# Altium PCB SMPS.PcbDoc
Units mil, origin at the board's own origin, x right, y up, seen from the top; angles counter-clockwise.
Board outline 3100 x 1250 mil, 2 copper layers (Top Layer, Bottom Layer); 49 components, 32 nets, 121 pads, 14 vias.
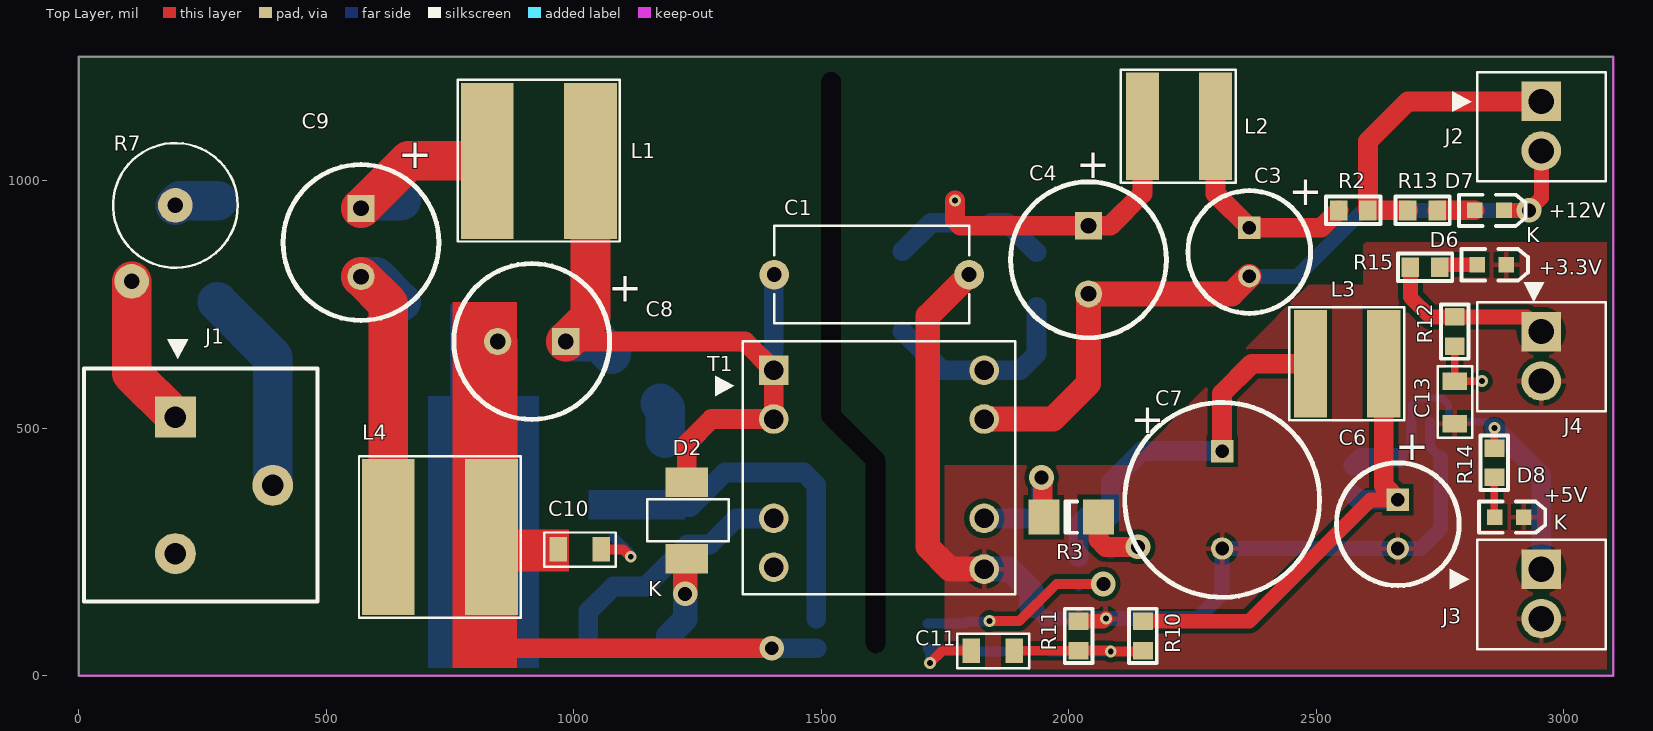
[diagram p0: Top Layer view]
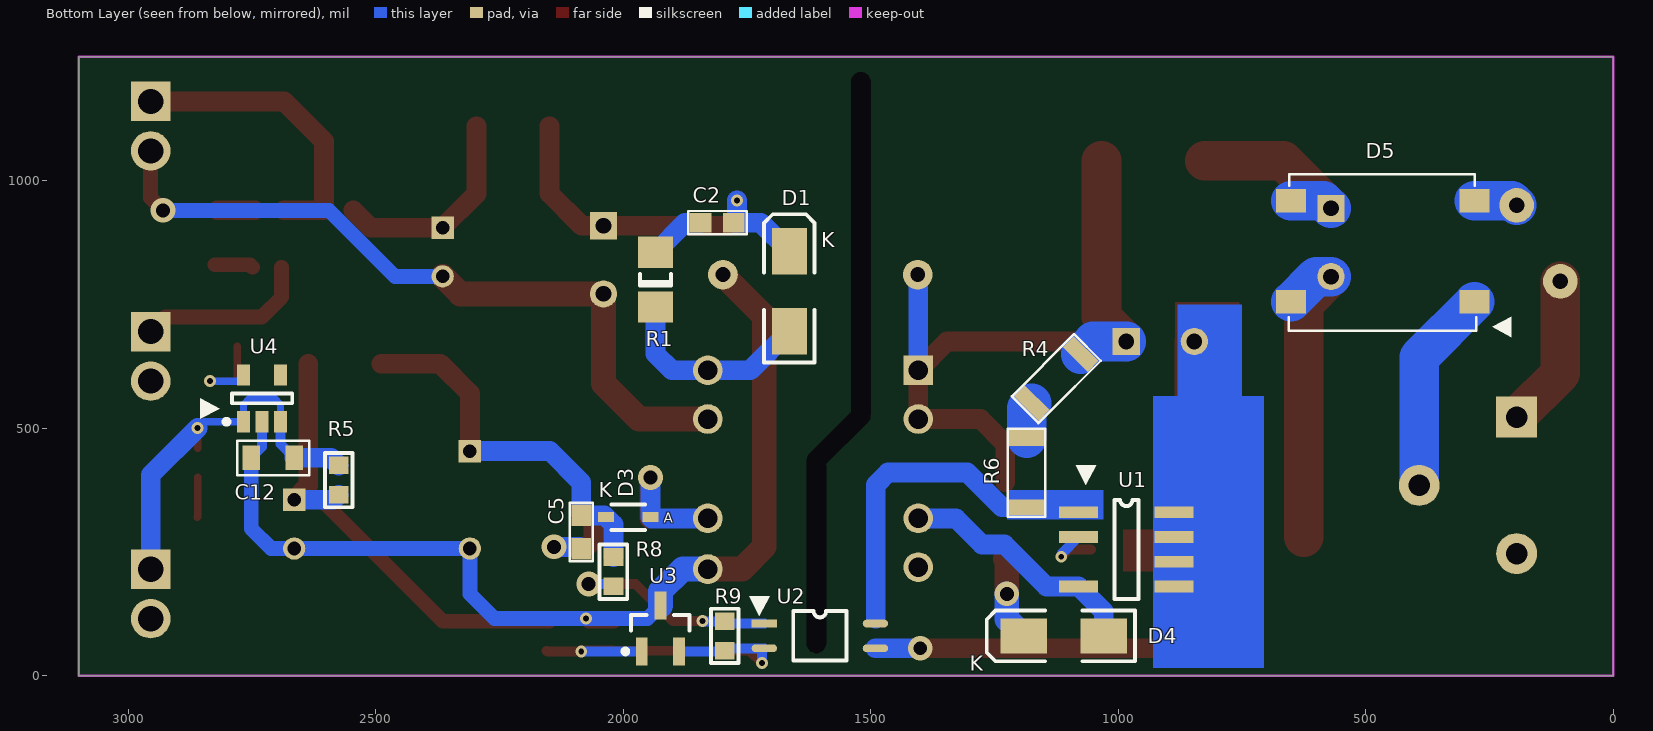
[diagram p1: Bottom Layer view, seen from below]
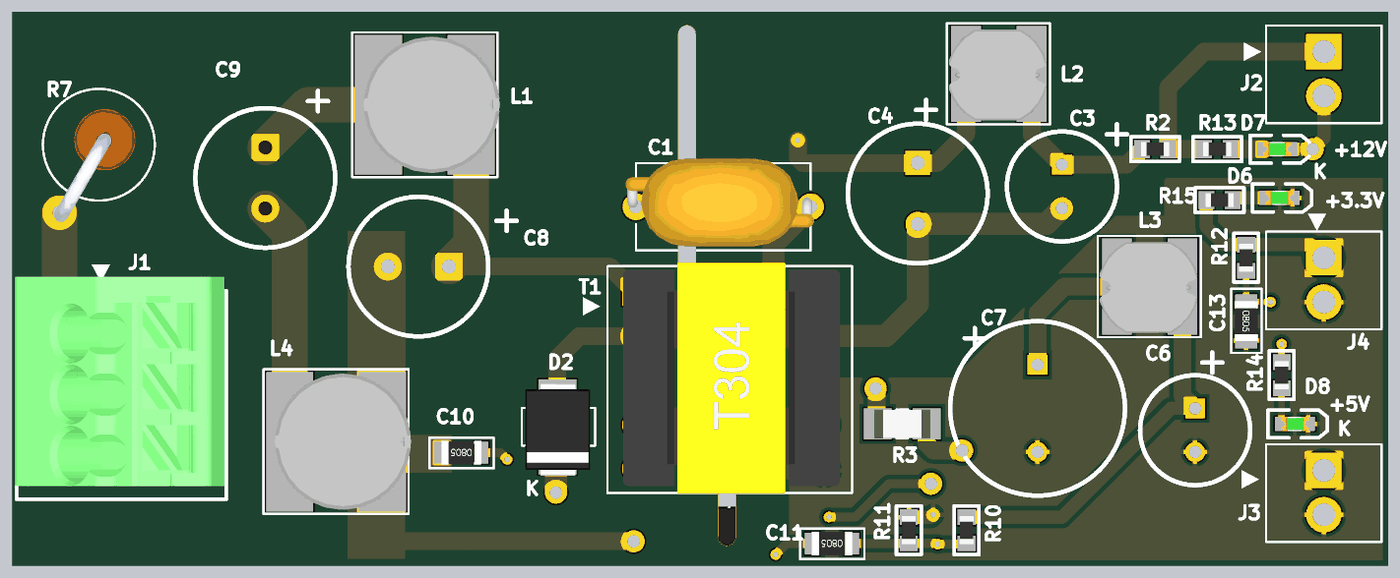
[diagram p2: 3D render of the assembled board from above, using the file's embedded part models]
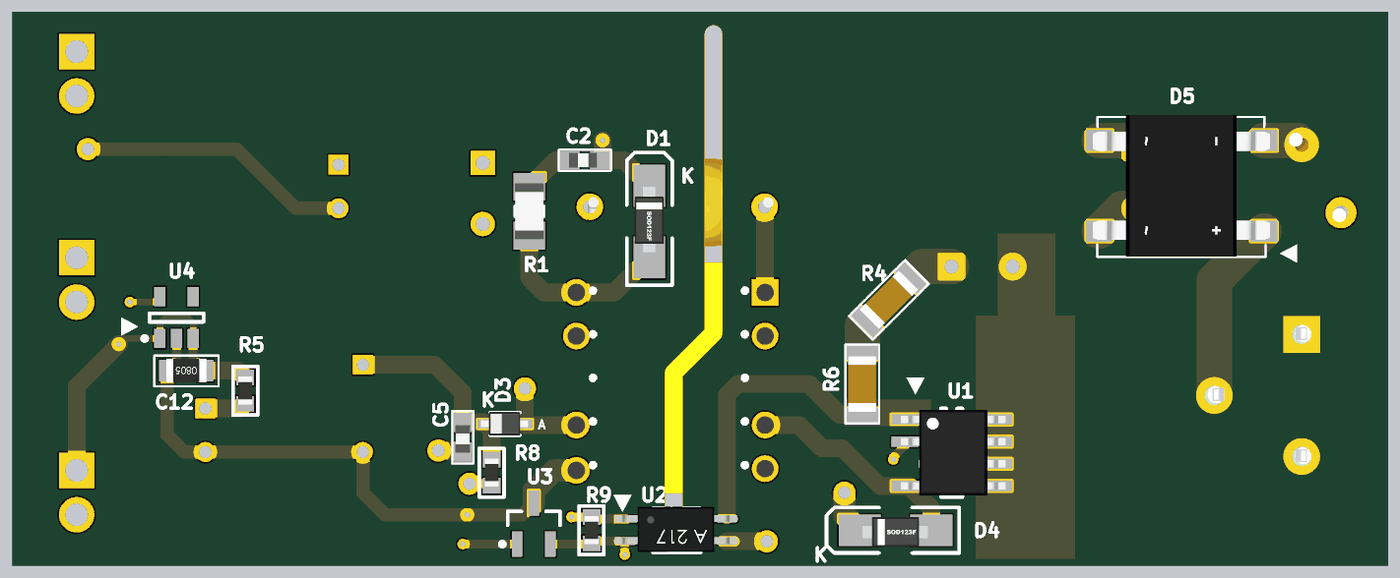
[diagram p3: 3D render of the assembled board from below, using the file's embedded part models]

## Layer stack, top to bottom
Top Layer: signal copper 1.4
Dielectric: dielectric 12.6, FR-4, Dk 4.8
Bottom Layer: signal copper 1.4

## Board outline
0,0 3100,0 3100,1250 0,1250 0,0

## Design rules (kind name [scope] priority, off if disabled: settings)
Clearance [All] p1: gap=10
PolygonConnect [All] p1: connectstyle=Relief reliefconductorwidth=10 reliefentries=4 polygonreliefangle="90 Angle"
RoutingVias [All] p1: holewidth=28 width=50 viastyle="Through Hole" minholewidth=28 minwidth=50 maxholewidth=28 maxwidth=50
SilkscreenOverComponentPads [All] p1: minsilkscreentomaskgap=10
SolderMaskExpansion [All] p1: expansion=4
Width [All] p1: maxlimit=90 minlimit=10 preferedwidth=10
27 further rules are at their usual default settings.

## Components (designator, comment, footprint, x,y, rotation, side; value= is the part's Value field where it differs from the comment)
C1 "2.2nF/440VAC" "2.2NF CAP" 1405,810 r0 top
C2 "470pF" C0603 1810,915 r180 bottom
C3 "100uF/25V" "CAP 6.3MM DIA" 2365,905 r270 top
C4 "220µF/25V" "CAP 8 MM DIA" 2040,840 r270 top
C5 "560pF" C0603 2085,290 r90 bottom
C6 "100uF/25V" "CAP 6.3MM DIA" 2665,355 r270 top
C7 "1000uF/10V" "CAP 10MM DIA" 2310,355 r270 top
C8 "6.8uF/400V" "CAP 8 MM DIA" 915,675 r180 top
C9 "6.8uF/400V" "CAP 8 MM DIA" 570,875 r270 top
C10 "10uF" R0805_2012 1055,255 r180 top
C11 "0.1uF" R0805_2012 1890,50 r180 top
C12 "0.1uF" R0805_2012 2665,440 r0 bottom
C13 "2.2uF" R0805_2012 2780,595 r270 top
D1 "RB162MM-60TR" GS-1_A 1665,775 r90 bottom
D2 "P6SMB180A-E3/52" P6SMB 1240,320 r270 top
D3 "DB2J40700L" SOD323 1990,320 r180 bottom
D4 "RS1K" SMA 1110,80 r0 bottom
D5 "DF06S-T" DF06S 280,755 r90 bottom
D6 "ORANGE" 1.6X0.8X0.8 2855,830 r0 top
D7 "GREEN" 1.6X0.8X0.8 2850,940 r0 top
D8 "BLUE" 1.6X0.8X0.8 2890,320 r0 top
J1 "1985205" "AC SUPPLY CONNECTOR" 250,400 r0 top
J2 "OSTVN02A150" OSTVN02A150 2955,1160 r270 top
J3 "OSTVN02A150" OSTVN02A150 2955,215 r270 top
J4 "OSTVN02A150" OSTVN02A150 2955,695 r270 top
L1 "1mH" SDR0805-102KL 825,1040 r0 top
L2 "3.3uH" SDE0604A-120M 2145,1110 r0 top
L3 "3.3uH" SDE0604A-120M 2485,630 r0 top
L4 "1mH" SDR0805-102KL 625,280 r0 top
R1 "22E" 1206 1935,800 r90 bottom
R2 "0E" R0603 2575,940 r0 top
R3 "18E" 1206 2005,320 r0 top
R4 "2M" "R1206 - Small pad" 1125,600 r135 bottom
R5 "0E" R0603 2575,395 r90 bottom
R6 "2M" "R1206 - Small pad" 1185,410 r90 bottom
R7 "10E,3W" "FUSIBLE RESISTOR" 195,950 r240 top
R8 "34E" R0603 2020,210 r90 bottom
R9 "1K" R0603 1795,80 r90 bottom
R10 "4.99K" R0603 2150,80 r90 top
R11 "4.99K" R0603 2020,80 r270 top
R12 "0E" R0603 2780,695 r90 top
R13 "6.8K" R0603 2715,940 r180 top
R14 "1.5K" R0603 2860,430 r90 top
R15 "680E" R0603 2720,825 r180 top
T1 "Transformer" Tra 1585,475 r0 top
U1 "TNY275GN-TL" TNY284DG 1080,330 r0 bottom
U2 "TLP293(GB-TPL,E" P25S01L 1715,105 r180 bottom
U3 "TL431AIDBZR" SOT-23_M 1925,95 r90 bottom
U4 "MC78PC33NTRG" SOT23-5_N 2730,560 r90 bottom

## Footprints (in the part's own frame and the unit in brackets; to place one, negate y for a bottom-side part, rotate by r counter-clockwise, add the part's x,y. Pads: shape width x height; smd on the part's side, far side on the other; paste and mask are expansions set on the pad)
1.6X0.8X0.8 [mm] "SM LED; 2 Flat Leads"
  rect 0.8x0.8 smd: 1(-0.75,0) 2(0.75,0)
  silkscreen extent -1.55,-0.8 1.85,0.8, body extent -0.8,-0.4 0.8,0.4, height 0.6
"2.2NF CAP" [mil]
  round 60 hole 30: 1(0,0) 2(393.7,0)
  silkscreen extent 0,-98 394,98, body extent -24,-89 402,108, height 571
1206 [mm]
  rect 1.6x1.8 smd: 1(-1.4,0) 2(1.4,0)
  silkscreen extent -0.3,-0.8 0.3,0.8, body extent -1.6,-0.83 1.6,0.83, height 0.53
"AC SUPPLY CONNECTOR" [mm]
  rect 2.1x2.1 hole 1.1 mask+0: 1(-1.4,3.1)
  round 2.1 hole 1.1 mask+0: 2(3.6,-0.4) 3(-1.4,-3.9)
  silkscreen extent -6.1,-6.35 5.9,5.6, body extent -6.2,-5.6 5.8,6.4, height 13.1
C0603 [mm]
  rect 1.1x1 smd: 1(-0.85,0) 2(0.85,0)
  silkscreen extent -1.5,-0.6 1.5,0.6, body extent -0.9,-0.43 0.7,0.43, height 0.83
"CAP 6.3MM DIA" [mil]
  rect 45x45 hole 27.56: 1(0,0)
  round 45 hole 27.56: 2(98.43,0)
  silkscreen extent -75,-124 173,124, body extent -72,-124 175,124, height 512
"CAP 8 MM DIA" [mil]
  rect 55x55 hole 31.5: 1(-68.9,0)
  round 55 hole 31.5: 2(68.9,0)
  silkscreen extent -157,-157 157,157, body extent -156,-157 157,157, height 689
"CAP 10MM DIA" [mil]
  rect 45x45 hole 27.56: 1(-98.43,0)
  round 45 hole 27.56: 2(98.43,0)
  silkscreen extent -197,-197 197,197, body extent -196,-197 196,196, height 669
DF06S [mm]
  rect 1.2x1.52 smd: 1(0,0) 2(5.2,0) 3(5.2,9.42) 4(0,9.42)
  silkscreen extent -1.47,-0.1 6.55,9.54, body extent -1.45,-0.35 6.65,9.8, height 2.7
"FUSIBLE RESISTOR" [mil]
  round 70 hole 31.5: 1(177.17,0) 2(0,0)
  silkscreen extent -126,-126 126,126, body extent -86,-63 196,75, height 501
GS-1_A [mm]
  rect 2.4x1.8 smd: A(-2.01,-0.014) K(2.09,-0.014)
  silkscreen extent -3.61,-1.31 3.99,1.29, body extent -1.72,-0.85 2.03,0.85, height 1.2
OSTVN02A150 [mil]
  rect 80x80 hole 51.18: 1(0,0)
  round 80 hole 51.18: 2(100,0)
  silkscreen extent -59,-130 161,130
P6SMB [mm]
  rect 1.52x2.18 smd: 1(-1.8,-0.3) 2(2.137,-0.3)
  silkscreen extent -0.91,-2.33 1.25,1.86, body extent -2.33,-2.13 2.97,1.57, height 2.2
P25S01L [mm]
  rect 1.3x0.4 smd: 1(0,0)
  oval 1.3x0.4 smd: 2(0,-1.27) 3(5.7,-1.27) 4(5.7,0)
  silkscreen extent 1.48,-1.91 4.22,0.63, body extent -0.7,-1.89 6.3,0.71, height 2.01
R0603 [mm]
  rect 0.9x1.02 smd: 1(-0.75,0) 2(0.75,0)
  silkscreen extent -1.4,-0.71 1.4,0.71, body extent -0.8,-0.4 0.8,0.4, height 0.4
R0805_2012 [mm] "0805 inch 2012 metric"
  rect 0.9x1.25 smd: 1(0,0) 2(2.2,0)
  silkscreen extent -0.76,-0.86 2.92,0.89, body extent -0.06,-0.67 2.24,0.68, height 0.76
"R1206 - Small pad" [mm]
  rect 0.8x1.8 smd: 1(-1.778,0) 2(1.778,0)
  silkscreen extent -2.26,-0.97 2.26,0.97, body extent -1.6,-0.8 1.6,0.8, height 1
SDE0604A-120M [mm]
  rect 1.7x5.5 smd: 1(0.1,0) 2(3.85,0)
  silkscreen extent -1,-2.9 4.9,2.9, body extent -0.88,-2.66 4.69,2.54, height 4.7
SDR0805-102KL [mm]
  rect 2.7x8 smd: 1(0,0) 2(5.3,0)
  silkscreen extent -1.5,-4.14 6.81,4.15, body extent -0.85,-3.9 6.95,3.9, height 5.3
SMA [mm]
  rect 2.4x1.8 smd: 1(-2.05,0) 2(2.05,0)
  silkscreen extent -3.65,-1.3 3.95,1.3, body extent -1.85,-0.75 1.9,0.95, height 1.2
SOD323 [mm]
  rect 0.84x0.52 smd: A(1.14,0) K(-1.14,0)
  silkscreen extent -0.85,-0.65 0.85,0.65, body extent -1.38,-0.66 1.32,0.69, height 0.79
SOT23-5_N [mm] "SOT23, 5-Leads, Body 2.9x1.6mm, Pitch 0.95mm, Lead Span 2.8mm, IPC Medium Density"
  rect 1.1x0.65 smd: 1(-1.2,0.95) 2(-1.2,0) 3(-1.2,-0.95) 4(1.2,-0.95) 5(1.2,0.95)
  silkscreen extent -1.32,-1.55 0.25,1.95, body extent -0.9,-1.55 0.9,1.55, height 1.45
SOT-23_M [mm] "SOT23, 3-Leads, Body 2.9x1.3mm, Pitch 0.95mm, Lead Span 2.5mm, IPC Low Density"
  rect 1.45x0.6 smd: 1(-1.175,0.95) 2(-1.175,-0.95) 3(1.175,0)
  silkscreen extent -1.3,-1.5 0.7,1.93, body extent -0.7,-1.5 0.7,1.5, height 1.1
TNY284DG [mm]
  rect 2x0.6 smd: 1(0,0) 2(0,1.27) 4(0,3.81) 5(-4.9,3.81) 6(-4.9,2.54) 7(-4.9,1.27) 8(-4.9,0)
  silkscreen extent -3.07,-0.64 -1.84,4.44, body extent -5.54,-0.54 0.46,4.36
Tra [mm]
  rect 1.524x1.524 hole 1: 1(-4.6,3.6)
  round 1.524 hole 1: 2(-4.6,1.1) 4(-4.6,-4) 5(-4.6,-6.5) 6(6.2,-6.6) 7(6.2,-4) 9(6.2,1.1) 10(6.2,3.6)
  silkscreen extent -6.2,-7.9 7.8,5.1, body extent -5.3,-7.91 7.1,5.31, height 11.88

## Part data
C1: library part Cap, "CAP CER 2200PF 440VAC Y5U RADIAL"
C2: library part Cap, "CAP CER 470PF 100V C0G/NP0 0603"
C3 C6: library part "Cap Pol2", "CAP ALUM 100UF 20% 25V RADIAL"
C4: library part "Cap Pol2", "CAP ALUM 220UF 20% 25V RADIAL"
C5: library part Cap, "CAP CER 560PF 100V C0G/NP0 0603"
C7: library part "Cap Pol2", "CAP ALUM 1000UF 20% 10V RADIAL"
C8 C9: library part "Cap Pol2", "CAP ALUM 6.8UF 20% 400V RADIAL"
C10: library part Cap, "CAP CER 10UF 16V X7R 1206"
C11 C12: library part Cap, "CAP CER 0.1UF 16V X7R 0402"
C13: library part Cap, "CAP CER 2.2UF 50V X5R 0603"
D1: library part "Diode BAT17", "DIODE SCHOTTKY 60V 1A PMDU"
D2: library part "D Zener", "TVS DIODE 154VWM 246VC SMB"
D3: library part "Diode BAT17", "DIODE SCHOTTKY 40V 500MA SMINI2"
D4: library part Diode, "DIODE GEN PURP 800V 1A SMA"
D5: library part "BRIDGE RECTIFIER", "RECT BRIDGE GPP 1A 600V DFS"
D6: library part LED0, "LED ORANGE CLEAR 0603 SMD"
D7: library part LED0, "LED GREEN CLEAR 0603 SMD"
D8: library part LED0, "LED BLUE CLEAR 0603 SMD"
J1: library part "Header 3", "TERM BLOCK PCB 3POS 3.5MM GREEN"
J2 J3 J4: library part "Header 2", "CONN TERM BLOCK 2.54MM 2POS PCB"
L1 L4: library part Inductor, "FIXED IND 1MH 210MA 4.5 OHM SMD"
L2 L3: library part Inductor, "FIXED IND 3.3UH 3.8A 60 MOHM SMD"
R1: library part Res1, "RES SMD 22 OHM 5% 1/4W 1206"
R2 R5 R12: library part Res1, "RES SMD 0.0OHM JUMPER 1/10W 0603"
R3: library part Res1, "RES SMD 18 OHM 1% 1/4W 1206"
R4 R6: library part Res1, "RES SMD 2M OHM 5% 1/4W 1206"
R7: library part Res1, "RES 10 OHM 3W 5% AXIAL"
R8: library part Res1, "RES SMD 34 OHM 1% 1/10W 0603"
R9: library part Res1, "RES SMD 1K OHM 1% 1/10W 0603"
R10 R11: library part Res1, "RES SMD 4.99K OHM 1% 1/10W 0603"
R13: library part Res1, "RES SMD 6.8K OHM 5% 1/10W 0603"
R14: library part Res1, "RES SMD 1.5K OHM 5% 1/10W 0603"
R15: library part Res1, "RES SMD 680 OHM 5% 1/10W 0603"
U1: library part TNY284, "IC OFFLINE SWIT OVP OTP HV 8SMD"
U2: library part PS250-1, "OPTOISOLATOR 3.75KV TRANS 4-SO"
U3: library part TL431, "IC VREF SHUNT ADJ SOT23-3"
U4: "IC REG LINEAR 3.3V 150MA 5TSOP"

## Free pads (board coordinates)
  round 0 hole 39.37 slot 708.66 at 90 deg: ""(1520,865)
  round 0 hole 39.37 slot 165.35 at 135 deg: ""(1565,480)
  round 0 hole 39.37 slot 399.7 at 90 deg: ""(1610,245)

## Via types
v1: diameter 24, hole 12, Top Layer to Bottom Layer, 8 vias
v2: diameter 50, hole 28, Top Layer to Bottom Layer, 6 vias

## Nets (pads, with @x,y where several pads share a name; then routed paths per layer and width w, separated by ;. In a path a pad name is that pad's centre, name@x,y a point inside that pad or via, vN(x,y) a via of type N, cw(c..) or ccw(c..) an arc to the next point about the centre after c; other vN are vias at no path point)
+3V3: J4.1 R12.2 R15.2 | length 353.8
  Top Layer w30: R15.2 2690.47,764.53 2730.47,724.53 R12.2 2925.47,724.53 J4.1
+5V: C12.1 J3.1 R5.2 R14.2 U4.1 U4.3 | length 798.1
  Top Layer w15: R14.2 v1(2860,500)
  Bottom Layer w15: U4.3 2692.6,547.6 2705,560 2755,560 2767.4,547.6 U4.1 2847.24,512.76 v1(2860,500)
  Bottom Layer w20: C12.1 2692.6,467.6 U4.3
  Bottom Layer w40: R5.2 2590.47,440 C12.1 ; v1(2860,500) 2955,405 J3.1
+12V: J2.1 R2.2 R13.2 | length 604.3
  Top Layer w40: R13.2 R2.2 2604.53,1079.53 2685,1160 J2.1
DGND: C1.2 C6.2 C7.2 C12.2 C13.2 D6.2 D8.2 J3.2 J4.2 R11.1 T1.6 U3.3 U4.2 | length 2109.4
  Top Layer w30: R11.1 2069.53,109.53 v1(2075,115)
  Top Layer w50: C1.2 1715,726.3 1715,260 1759.84,215.16 T1.6
  Bottom Layer w20: U4.2 2730,461.61 C12.2
  Bottom Layer w30: U3.3 1951.26,115 v1(2075,115) 2260,115 2310,165 C7.2 C6.2 2711.57,256.57 2751.61,296.61 C12.2
  Bottom Layer w50: T1.6 1879.84,215.16 1925,170 U3.3
GND: C3.2 C4.2 D7.2 J2.2 T1.9 | length 1562.5
  Top Layer w30: D7.2 v2(2930,940) 2955,965 J2.2
  Top Layer w50: T1.9 1968.31,518.31 2040,590 C4.2 2329.53,771.1 C3.2
  Bottom Layer w30: C3.2 2461.57,806.57 2595,940 v2(2930,940)
NetC1_1: C1.1 C8.1 D2.1 L1.2 R4.2 T1.1 T1.2 | length 1497.9
  Top Layer w40: C8.1 1345.63,675 T1.1 T1.2 1278.31,518.31 1228.19,468.19 D2.1
  Top Layer w80: C8.1 1033.66,724.76 L1.2
  Bottom Layer w40: T1.1 1403.9,808.9 C1.1
  Bottom Layer w80: C8.1 1050,675 R4.2
NetC2_1: C2.1 R1.2 | length 116.3
  Bottom Layer w40: C2.1 1875.12,915 R1.2
NetC2_2: C2.2 C4.1 D1.K L2.1 | length 770.2
  Top Layer w40: v1(1770,960) 1770,920 1781.1,908.9 C4.1 2083.9,908.9 2148.94,973.94 L2.1
  Bottom Layer w40: D1.K 1722.17,915 C2.2 1770,921.53 v1(1770,960)
NetC3_1: C3.1 L2.2 R2.1 | length 428.3
  Top Layer w40: L2.2 2296.57,973.43 C3.1 2510.47,905 R2.1
NetC5_1: C5.1 R3.2 | length 187.6
  Top Layer w40: R3.2 2060.12,274.88 2075,260 v2(2140,260)
  Bottom Layer w40: C5.1 2088.46,260 v2(2140,260)
NetC5_2: C5.2 C7.1 D3.K L3.1 R8.2 | length 776.4
  Top Layer w40: C7.1 2310,570 2370,630 L3.1
  Bottom Layer w40: R8.2 2020,305.12 D3.K 2038.35,323.47 C5.2 2085,390 2148.43,453.43 C7.1
NetC6_1: C6.1 L3.2 R5.1 R10.2 | length 997.8
  Top Layer w30: R10.2 2364.53,109.53 2610,355 C6.1
  Top Layer w40: L3.2 2636.57,383.43 C6.1
  Bottom Layer w40: R5.1 2585.47,355 C6.1
NetC9_1: C9.1 D5.3 L1.1 | length 382.2
  Top Layer w80: C9.1 666.1,1040 L1.1
  Bottom Layer w80: C9.1 585.83,959.72 D5.3
NetC9_2: C9.2 D5.4 L4.1 | length 650.9
  Top Layer w80: C9.2 625,751.1 L4.1
  Bottom Layer w80: C9.2 599.76,806.1 D5.4
NetC10_1: C10.1 U1.2 | length 120.7
  Top Layer w20: C10.1 1100,255 v1(1115,240)
  Bottom Layer w20: U1.2 1115,245 v1(1115,240)
NetC11_1: C11.1 R10.1 R11.2 U3.1 | length 388.3
  Top Layer w20: C11.1 2019.53,50 R11.2 v1@2085,50.47 ; v1(2085,48.74) 2153.74,48.74 R10.1@2155,50
  Bottom Layer w20: U3.1 v1(2085,48.74)
NetC11_2: C11.2 R9.1 U2.2 U3.2 | length 286
  Top Layer w20: v1(1720,25) 1745,50 C11.2
  Bottom Layer w20: U2.2 1720,50 v1@1720,35 ; U2.2@1720,55 1790.47,55 R9.1 1796.73,48.74 U3.2
NetC13_1: C13.1 R12.1 U4.5 | length 198.1
  Top Layer w15: R12.1 C13.1 v1(2835,595)
  Bottom Layer w15: U4.5 2779.65,595 v1(2835,595)
NetD1_A: D1.A R1.1 T1.10 | length 412
  Bottom Layer w40: D1.A 1743.58,616.73 T1.10 1901.73,616.73 1935,650 R1.1
NetD2_2: D2.2 D4.2 | length 171.4
  Top Layer w50: v2(1225,165) 1225,232.68 D2.2
  Bottom Layer w50: D4.2 1225,114.29 v2(1225,165)
NetD3_A: D3.A R3.1 T1.7 | length 280.7
  Top Layer w40: v2(1945.12,400.12) 1947.4,397.84 R3.1@1947.4,317.52
  Bottom Layer w40: T1.7 1942.64,317.52 D3.A v2(1945.12,400.12)
NetD4_1: D4.1 T1.4 U1.4 | length 501.9
  Bottom Layer w40: D4.1 1029.29,129.29 U1.4 1145,180 1230,265 1275,265 1327.52,317.52 T1.4
NetD5_1: D5.1 J1.2 | length 417
  Bottom Layer w80: D5.1 391.73,643.27 J1.2
NetD5_2: D5.2 R7.2 | length 89
  Bottom Layer w80: R7.2 204.72,959.72 D5.2
NetD6_1: D6.1 R15.1 | length 78
  Top Layer w30: R15.1 2754.53,830 D6.1
NetD7_1: D7.1 R13.1 | length 75.9
  Top Layer w40: R13.1 D7.1
NetD8_1: D8.1 R14.1 | length 80.7
  Top Layer w15: R14.1 2860,320.47 D8.1
NetJ1_1: J1.1 R7.1 | length 311.2
  Top Layer w80: R7.1 106.42,610.51 J1.1
NetR4_1: R4.1 R6.2 | length 74.9
  Bottom Layer w80: R4.1 1185,540 R6.2
NetR6_1: R6.1 U1.1 U2.4 | length 614.4
  Bottom Layer w40: R6.1 1235,340 1305,410 1465,410 1490,385 1490,115
NetR8_1: R8.1 R9.2 U2.1 | length 440
  Top Layer w20: v1(1840,110) 1900,110 1975,185 v2(2070,185)
  Bottom Layer w20: U2.1 1790.47,105 R9.2 1839.53,109.53 v1(1840,110) ; R8.1 2024.53,185 v2(2070,185)
PGND: C8.2 C10.2 L4.2 U1.5 U1.6 U1.7 U1.8 U2.3 | length 1095.7
  Top Layer w40: 795,55 v2(1400,55)
  Top Layer w80: L4.2 846.1,292.44 C8.2
  Bottom Layer w40: v2(1400,55) U2.3
pads on no net: J1.3 T1.5 U4.4

## Polygon pours and split planes (outlines as drawn)
DGND on Top Layer "PGND" (solid, pour order 2): 1750,425 1750,10 3090,10 3090,875 2600,875 2595,870 2595,790 2485,790 2400,705 2120,425 1750,425

## Keep-outs
Keep-Out Layer:
  the board outline again, w5

## Other copper
Top Layer:
  rectangle net PGND: 755,210 990,295
  rectangle net PGND: 755,15 885,755
Bottom Layer:
  rectangle net PGND: 750,525 880,750
  rectangle net NetR6_1: 1030,315 1225,375
  rectangle net PGND: 705,15 930,565

## Silkscreen, mask and mechanical layers (free items; w line width, h text height)
Top Overlay:
  region: 220.5,679.5 179,679.5 199.5,640.5
  region: 1285.5,606.25 1285.5,564.75 1324.5,585.25
  region: 2775,1180.75 2775,1139.25 2814,1159.75
  region: 2960.5,794.5 2919,794.5 2939.5,755.5
  region: 2770,215.75 2770,174.25 2809,194.75
  text "+" at 645,1025 h60
  text "+" at 2015,1005 h60
  text "+" at 2445,950 h60
  text "+12V" at 2970,925 h30
  text "K" at 2925,875 h30
  text "+3.3V" at 2950,810 h30
  text "+" at 1070,755 h60
  text "+" at 2125,490 h60
  text "+" at 2660,435 h60
  text "+5V" at 2960,350 h30
  text "K" at 2980,295 h30
  text "K" at 1150,160 h30
Bottom Overlay:
  region: 205.5,683.75 205.5,725.25 244.5,704.75
  region: 1044.25,425 1085.75,425 1065.25,386
  region: 1704.25,160 1745.75,160 1725.25,121
  region: 2854.5,560.5 2854.5,519 2815.5,539.5
  text "K" at 1600,865 h30
  text "K" at 2050,360 h30
  text "K" at 1300,10 h30
Mechanical 15:
  the board outline again, w15

## Text inside footprints (layer, text, board x,y; h text height)
D3: Bottom Overlay "A" at 1918,309 h19.68; Mechanical 15 "1" at 1972.29,313.53 h29.53 r270